# KiCad board CPU.kicad_pcb (continued)
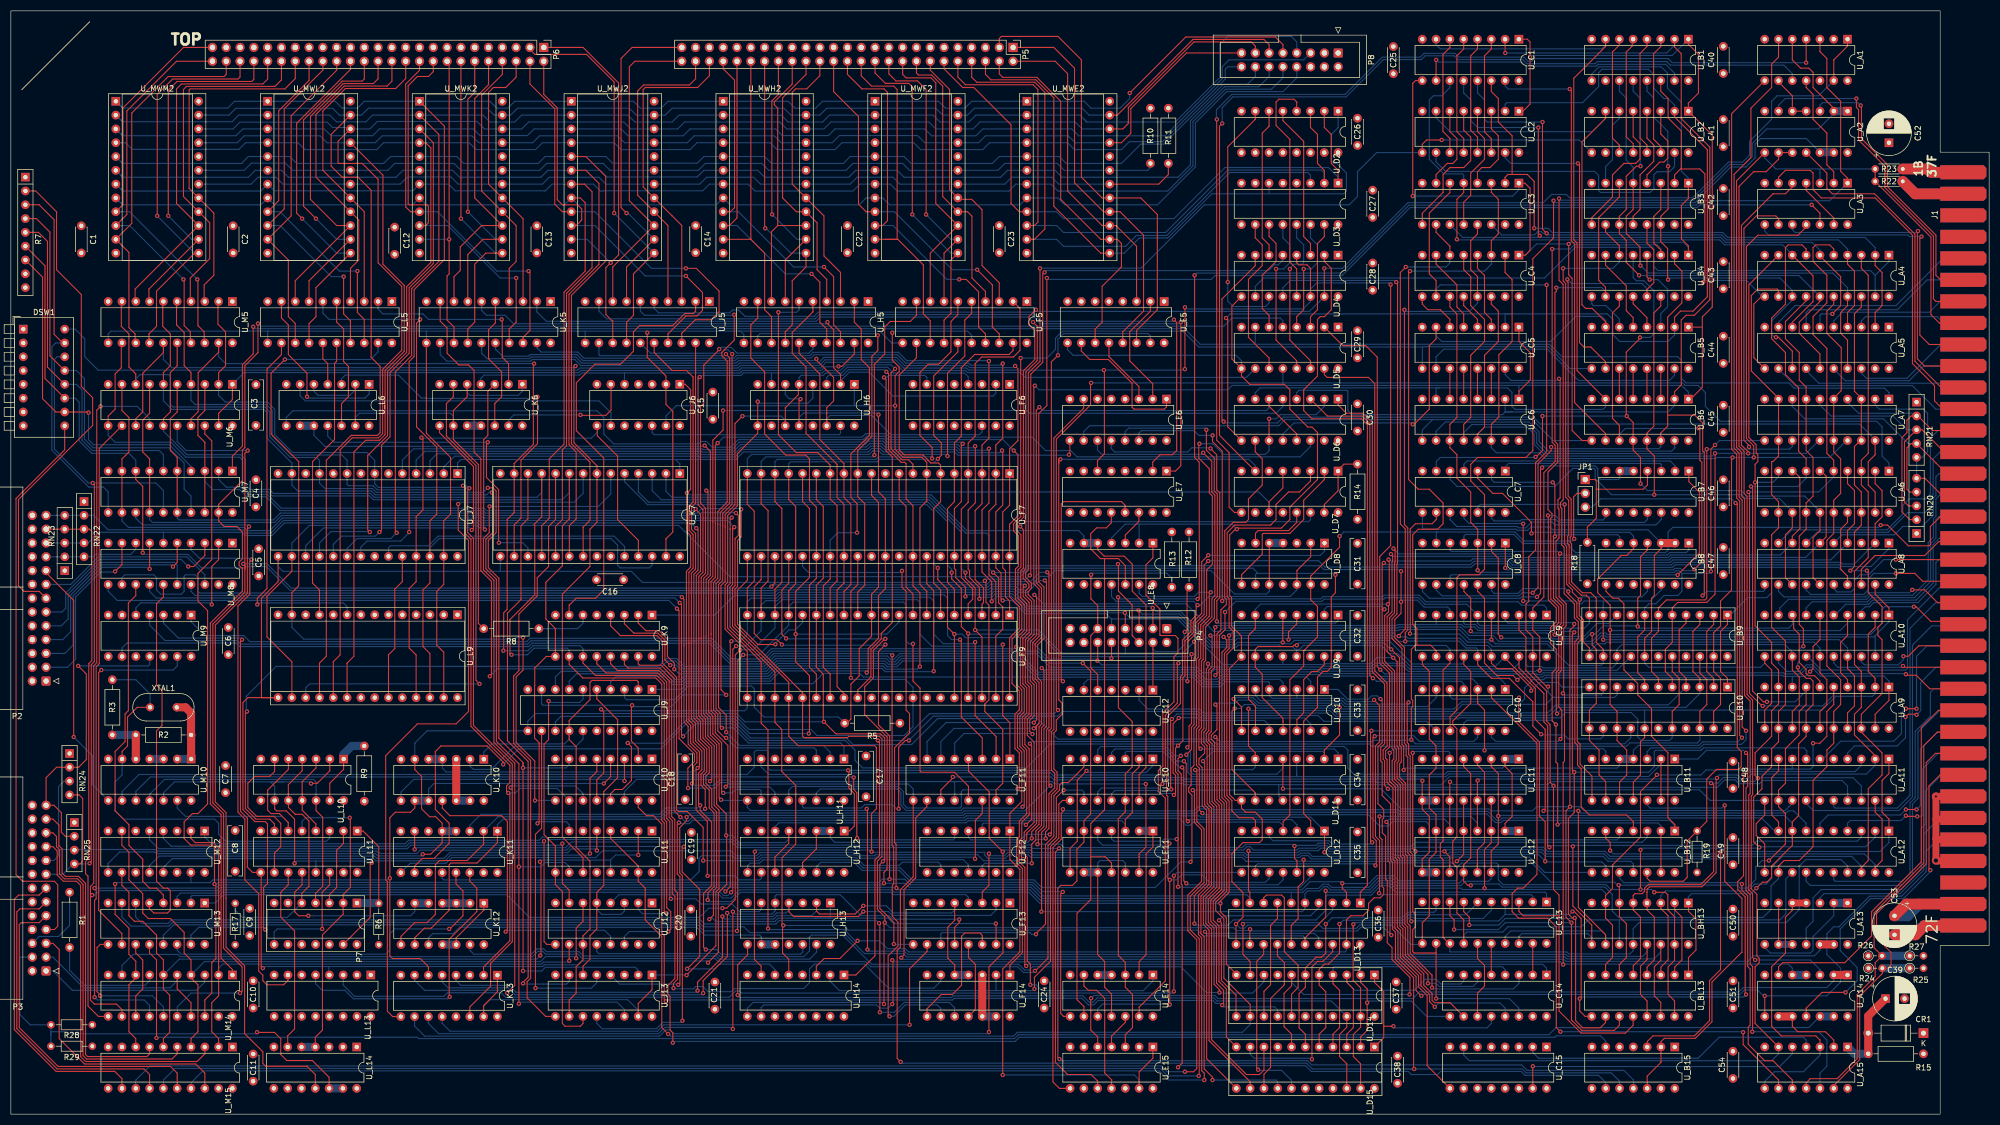
[diagram p0: board, top side]
## Routing (per net, layer and track width the routed paths; a pad name or vN(x,y) marks a point on that pad's centre or on a via; arc(x,y) is an arc through that point) (continued)
/PTR.~{Q_{7}}: length 273.8
  Top w0.2: JP1.2 288.17,114.22 287.55,113.61 287.55,106.16 287.45,106.05 v1(287.66,105.84) ; v1(122.8,23.8) 123.1,24.1 123.1,43.7 122.62,44.19 122.62,53.35 v1(122.91,53.65) ; v1(244.48,106.35) 244.48,104.32 239.17,99.01 U_D8.13 239.17,94.69 239.14,94.67 240.41,93.4 240.41,87.81 237.87,85.27 237.87,82.47 235.33,79.93 235.33,55.04 234.09,53.8 U_D12.4
  Bottom w0.2: 262.51,107.11 262.28,107.11 U_C8.6 ; 262.51,107.11 245.24,107.11 v1(244.48,106.35) ; 262.51,107.11 276.74,107.11 278.4,105.45 287.27,105.45 v1(287.66,105.84) ; v1(122.8,23.8) 122.67,23.93 121.61,23.93 121.61,23.93 112.03,23.93 U_J13.4 ; v1(122.91,53.65) 123.24,53.65 123.44,53.44 124.84,53.44 125.45,54.06 175.59,54.06 175.97,54.44 214.98,54.44 215.81,53.61 215.81,53.58 216.25,53.13 216.94,53.13 217.53,53.73 233.47,53.73 234.09,53.11 U_D12.4
/REG_MMIO: length 244.9
  Top w0.2: v1(190.24,98.19) 190.54,97.89 190.54,71.35 190.09,70.9 190.09,52.93 189.05,51.89 189.05,49.82 v1(188.9,49.66) ; U_D12.12 236.63,46.63 236.19,47.07 v1(236.19,49.35)
  Bottom w0.2: U_B12.3 301.08,50.94 300.16,50.02 258.4,50.02 257.62,49.24 242.98,49.24 242.37,49.85 240.54,49.85 240.15,49.45 236.3,49.45 v1(236.19,49.35) 235.89,49.65 227.21,49.65 226.61,49.05 193.77,49.05 193.16,49.66 v1(188.9,49.66) ; v1(190.24,98.19) 189.23,98.19 187.07,96.02 185.3,96.02 184.7,96.62 180.69,96.62 180.09,96.03 141.32,96.03 140.72,95.43 133.1,95.43 129.5,91.83 U_K9.1
/RTC_INT: length 226.7
  Top w0.2: v1(161.67,17.99) 161.42,18.25 161.42,29.13 163.22,30.94 163.22,35.33 162.18,36.37 162.18,42.09 162.43,42.33 162.43,49.16 162.15,49.44 162.15,84.41 v1(162.18,84.44)
  Bottom w0.2: v1(161.67,17.99) 162.47,17.99 164.58,20.1 170.46,20.1 171.12,19.44 171.12,17.99 ; v1(162.18,84.44) 161.88,84.74 140.33,84.74 138.44,82.84 132.35,82.84 128.55,86.65 95.88,86.65 95.27,86.03 42.1,86.03 41.44,86.69 21.37,86.69 20.47,85.79 U_M9.9
/RTC_INT_EN: length 173.8
  Top w0.2: v1(159.9,18.75) 159.9,34.98 v1(159.74,35.13)
  Bottom w0.2: U_M13.6 22.97,36.27 24.13,35.1 28.94,35.1 29.58,35.74 126.88,35.74 127.63,34.99 140.76,34.99 141.38,35.61 159.26,35.61 v1(159.74,35.13) ; U_F14.10 173.66,19.56 172.67,20.55 164.39,20.55 162.58,18.75 v1(159.9,18.75)
/SW_1: length 76.6
  Top w0.2: 2.67,164.78 4.69,164.78 7.19,162.28 7.19,139.53 DSW1.13
  Bottom w0.2: 33.15,111.43 33.15,113.72 31.88,114.99 31.88,119.81 29.09,122.61 15.13,122.61 13.54,124.2 13.54,135.36 12.07,136.83 9.92,136.83
/SW_2: length 140.4
  Top w0.2: RN24.4 12.56,58.74 13.21,58.09 13.21,46.53 12.72,46.04 RN25.4 ; v1(14.49,46.15) 14.79,46.45 14.79,82.7 15.35,83.26 15.35,115.83 v1(15.05,116.13)
  Bottom w0.2: 28.06,111.43 28.06,114.74 26.67,116.13 14.23,116.13 8,122.36 8,138.86 8.5,139.36 DSW1.14 ; P3.15 9.54,44.13 11.45,46.04 14.38,46.04 v1(14.49,46.15)
/SW_3: length 68.8
  Top w0.2: 9.54,141.89 7.95,143.49 7.95,164.57 5.2,167.32 R7.3
  Bottom w0.2: DSW1.15 8.24,141.89 7.55,141.2 7.55,122.17 14.35,115.38 17.01,115.38 17.91,114.48 U_M7.11
/SW_H: length 311.6
  Top w0.2: v1(186.57,97.23) 186.27,96.93 186.27,95.25 187.37,94.15 187.37,88.65 186.2,87.49 186.2,79.17 186.91,78.47 186.91,73.82 186.11,73.02 186.11,67.84 186.91,67.04 186.91,55.26 185.55,53.9 185.55,50.98 185.06,50.49 185.06,46.26 186.11,45.2 186.11,29.7 183.82,27.4 U_F14.1 ; R7.6 6.28,156.09 6.28,135.36 DSW1.11 ; U_M7.8 22.98,116.77 24.26,115.49 v1(24.26,103.29)
  Bottom w0.2: DSW1.11 11.83,131.74 12.58,130.99 12.58,123.88 14.86,121.59 21.72,121.59 22.98,120.33 22.98,119.05 ; v1(24.26,103.29) 24.56,102.99 32.58,102.99 35.06,100.51 43.07,100.51 43.32,100.76 46.99,100.76 51.41,96.34 140.27,96.34 140.87,96.93 179.71,96.93 180.31,97.53 186.27,97.53 v1(186.57,97.23)
/SW_I: length 63.1
  Top w0.2: v1(14.29,129.08) 14.18,129.19 DSW1.10 8.27,129.19 5.83,131.64 5.83,154.01 R7.7
  Bottom w0.2: v1(14.29,129.08) 14.29,124.09 15.21,123.17 29.17,123.17 33.15,119.19 U_M7.4
/SW_O: length 104.8
  Top w0.2: DSW1.9 9.91,122.23 0.95,113.27 0.95,44.07 2.16,42.85 8,42.85 8.62,42.23 8.62,34.58 8.01,33.97 P3.7
/SW_R: length 63.6
  Top w0.2: R7.5 5.07,162.25 6.73,160.58 6.73,137.45 DSW1.12
  Bottom w0.2: 28.06,119.05 28.06,121.33 28.07,121.34 27.31,122.1 15,122.1 13.08,124.01 13.08,133.27 12.08,134.28 DSW1.12
/Sys.5MHz: length 35.3
  Bottom w0.2: U_A13.3 332.88,39.81 333.63,40.56 347.62,40.56 351.97,44.92 351.97,51.54 354.97,54.53 357.22,54.53
/Sys.Reset: length 555.6
  Top w0.2: U_E7.6 199.94,120.23 201.21,121.51 201.21,136.81 v1(201.12,136.9) ; U_D4.14 239.13,155.64 238.51,156.26 236.98,156.26 236.59,156.66 U_D4.4 ; v1(216.03,148.45) 216.02,148.44 v1(216.02,137.08) ; v1(322.71,21.77) 322.71,17.96 ; v1(259.53,21.78) 258.56,22.75 258.56,25.31 255.22,28.65 255.22,33.68 254.66,34.23 254.66,46.58 254.31,46.93 254.31,59.99 253.68,60.62 253.63,60.62 253.22,61.03 253.22,65.23 252.95,65.5 252.95,66.82 253.68,67.54 253.68,81.15 251.87,82.96 251.87,102.61 253.88,104.61 v1(253.88,152.64)
  Bottom w0.2: v1(216.03,148.45) 216.33,148.15 237.77,148.15 239.13,149.51 U_D4.14 239.13,151.8 240.27,152.94 253.58,152.94 v1(253.88,152.64) ; 322.71,21.51 321.39,22.84 318.95,22.84 318.13,22.01 259.76,22.01 v1(259.53,21.78) ; 322.71,21.51 v1(322.71,21.77) ; 322.71,21.51 322.97,21.77 334.14,21.77 336.68,24.31 336.68,26.85 334.14,29.39 334.14,33.2 335.41,34.47 336.37,34.47 342.01,40.11 347.91,40.11 352.43,44.63 352.43,48.44 354.53,50.54 J1.32 ; DSW1.16 11.83,144.44 13.59,142.67 13.59,139.37 16.07,136.89 104.3,136.89 104.69,137.28 133.78,137.28 134.26,137.76 148.77,137.76 149.8,138.79 162.77,138.79 164.28,137.28 175.84,137.28 176.22,136.9 v1(201.12,136.9) 215.84,136.9 v1(216.02,137.08)
/Sys.~{A_{0}}: length 36.1
  Bottom w0.2: U_A5.9 325.25,145.72 328.3,148.77 346.84,148.77 355.53,157.46
/Sys.~{A_{1}}: length 32.1
  Bottom w0.2: U_A5.7 330.32,147.49 330.84,148.01 347.09,148.01 352.59,153.5 J1.6
/Sys.~{A_{2}}: length 24.5
  Bottom w0.2: J1.7 354.98,149.54 352.99,147.55 336.99,147.55 335.4,145.97 U_A5.5
/Sys.~{A_{3}}: length 17.1
  Bottom w0.2: 355.62,145.58 354.46,146.74 341.25,146.74 340.49,145.97 340.49,145.72 340.49,145.72 U_A5.3
/Sys.~{A_{4}}: length 20.7
  Bottom w0.2: 357.21,141.66 354.97,141.66 354.97,141.49 348.87,135.4 341.41,135.4 340.49,136.33 U_A5.18
/Sys.~{A_{5}}: length 23.9
  Bottom w0.2: 335.4,137.09 337.55,134.94 349.27,134.94 351.99,137.66 J1.10
/Sys.~{A_{6}}: length 27.1
  Bottom w0.2: 330.32,136.83 332.67,134.49 356.46,134.49
/Sys.~{A_{7}}: length 35
  Bottom w0.2: 357.23,129.72 354.21,129.72 349.89,134.04 328.3,134.04 325.25,137.09
/Sys.~{A_{8}}: length 47.5
  Bottom w0.2: 325.25,105.07 327.69,107.51 345.22,107.51 348.11,110.4 348.11,112.01 349.3,113.21 352.28,113.21 353.19,114.12 353.19,124.38 354.59,125.78 J1.13
/Sys.~{A_{9}}: length 38.8
  Bottom w0.2: 330.32,105.07 332.31,107.06 345.41,107.06 349.02,110.67 352.17,110.67 353.3,111.79 353.3,113.58 353.7,113.98 353.7,120.57 354.94,121.82 J1.14
/Sys.~{A_{10}}: length 31
  Bottom w0.2: 335.4,105.07 336.94,106.6 346.59,106.6 348.11,108.13 351.65,108.13 353.75,110.23 353.75,113.4 354.21,113.85 354.21,117.27 354.79,117.86 J1.15
/Sys.~{APRE}: length 58.1
  Top w0.2: 355.18,133.7 350.34,138.53 350.34,161.91 342.91,169.34 335.16,169.34 334.14,170.36 334.14,173.15 330.33,176.96
/Sys.~{CA_{15}}: length 38.5
  Bottom w0.2: 356.08,98.06 348.98,90.96 348.98,82.06 348.62,81.7 333.13,81.7 330.59,84.24
/Sys.~{CPL_{0}}: length 21
  Top w0.2: 356.6,105.33 354.71,105.33 352.17,102.79 343.02,102.79 340.49,100.25 340.49,97.45
/Sys.~{CPL_{1}}: length 26.2
  Top w0.2: J1.55 353.46,102.02 353.44,102.03 v1(346.84,102.03)
  Bottom w0.2: 335.4,97.45 335.4,96.7 336.03,96.08 338.6,96.08 339.22,96.7 339.22,98.22 340.24,99.25 341.82,99.25 344.6,102.03 v1(346.84,102.03)
/Sys.~{CPL_{2}}: length 31.7
  Top w0.2: v1(346.84,99.49) 350.33,99.49 351.76,98.06 J1.56
  Bottom w0.2: v1(346.84,99.49) 342.78,99.49 341.76,98.48 341.76,96.44 340.94,95.63 331.15,95.63 330.32,96.45 330.32,97.45
/Sys.~{CPL_{3}}: length 35.2
  Top w0.2: v1(349.86,96.47) 352.15,96.47 354.52,94.1 J1.57
  Bottom w0.2: 325.25,97.45 325.25,96.19 326.27,95.17 341.24,95.17 342,95.94 349.33,95.94 v1(349.86,96.47)
/Sys.~{D_{0}}: length 56.8
  Bottom w0.2: U_A11.16 335.4,56.57 335.66,56.31 347.09,56.31 349.43,58.65 349.43,89.39 354.15,94.1 J1.21
/Sys.~{D_{1}}: length 57.6
  Bottom w0.2: 330.32,57.18 331.65,55.86 347.4,55.86 349.89,58.34 349.89,86.28 353.44,89.84 356.95,89.84
/Sys.~{D_{2}}: length 41.1
  Top w0.2: v1(348.68,74.6) v1(350.64,74.6)
  Bottom w0.2: 332.87,64.8 336.68,68.62 346.45,68.62 347.86,70.03 347.86,73.84 347.91,73.84 348.37,74.3 348.38,74.3 v1(348.68,74.6) ; v1(350.64,74.6) 350.65,74.61 350.65,84.25 352.58,86.18 J1.23
/Sys.~{D_{3}}: length 32.3
  Top w0.2: v1(348.62,73.08) 349.13,73.58 350.44,73.58 350.54,73.48 v1(350.64,73.48)
  Bottom w0.2: v1(348.62,73.08) 348.62,69.27 347.09,67.74 339.22,67.74 337.94,66.47 U_A11.4 ; J1.24 354.21,82.22 351.41,79.43 351.41,74.25 v1(350.64,73.48)
/Sys.~{D_{4}}: length 54.6
  Bottom w0.2: J1.25 353.84,78.26 353.19,77.61 353.19,73.21 350.4,70.42 350.4,58.21 349.43,57.25 349.43,44.31 347.98,42.85 335.66,42.85 335.4,43.11 335.4,43.76
/Sys.~{D_{5}}: length 56.2
  Bottom w0.2: 330.32,43.76 330.32,42.85 331.09,42.09 347.86,42.09 349.89,44.12 349.89,57.06 350.9,58.08 350.9,70.28 354.92,74.3 J1.26
/Sys.~{D_{6}}: length 39.6
  Top w0.2: v1(350.65,56.06) v1(348.68,56.06)
  Bottom w0.2: 332.87,51.38 332.87,53.52 334.39,55.04 347.66,55.04 v1(348.68,56.06) ; v1(350.65,56.06) 351.36,56.77 351.36,67.18 354.52,70.34 J1.27
/Sys.~{D_{7}}: length 31.9
  Top w0.2: v1(350.77,54.79) 348.8,54.79 v1(348.68,54.91)
  Bottom w0.2: 337.94,51.38 337.94,53.51 338.46,54.03 347.8,54.03 v1(348.68,54.91) ; J1.28 354.62,66.38 351.81,63.57 351.81,55.02 351.58,54.79 v1(350.77,54.79)
/Sys.~{DRDY}: length 226.4
  Top w0.2: 322.71,176.93 317.52,171.73 317.52,122.72 318.45,121.79 318.45,113.73 319.01,113.18 319.01,77.02 320.02,76 320.02,58.97 319.77,58.72 319.77,41.29 320.48,40.58 320.48,28.83 v1(320.94,28.37) ; R23.1 R22.2 353.3,161.36 353.3,147.1 354.82,145.58 J1.44
  Bottom w0.2: 322.71,176.93 322.71,175.94 324.74,173.91 332.87,173.91 ; 332.87,173.91 R23.1 ; 332.87,173.91 332.87,173.16 332.88,173.16 U_A3.3 ; U_A14.3 332.88,26.59 331.1,28.36 320.95,28.36 v1(320.94,28.37)
/Sys.~{INR0}: length 30.7
  Top w0.2: 355.29,113.9 352.19,117 RN20.5
  Bottom w0.2: RN20.5 RN21.5 351.69,120.85 352.68,121.84 352.68,128.96 351.92,129.72 343.79,129.72 343.02,130.49 U_A7.2
/Sys.~{INR1}: length 43.2
  Top w0.2: RN21.2 349.65,128.47 348.87,127.69 348.87,125.4 347.96,124.49 347.96,110.81 349.4,109.38 RN20.2 ; 350.88,128.47 353.57,125.78 J1.49
  Bottom w0.2: 350.16,128.96 339.98,128.96 337.94,130.99
/Sys.~{INR2}: length 44.5
  Top w0.2: 355.75,121.82 351.65,125.93 RN21.3 348.42,123.7 348.42,112.65 349.15,111.92 RN20.3
  Bottom w0.2: RN21.3 348.85,125.93 346.33,128.45 334.9,128.45 332.87,130.49 332.87,131.74
/Sys.~{INR3}: length 45.4
  Top w0.2: 355.22,118.8 354.21,119.81 354.21,119.83 RN21.4 349.65,123.39 348.87,122.61 348.87,114.99 349.4,114.46 RN20.4
  Bottom w0.2: RN21.4 349.11,123.39 344.55,127.94 330.08,127.94 327.79,130.23 327.79,131.74
/Sys.~{INTACK}: length 65.8
  Top w0.2: U_A14.11 330.33,19.48 330.33,19.48 333.25,22.4 v1(337.57,22.4) ; v1(353.19,44.88) 352.94,45.14 352.94,60.38 354.98,62.42 J1.65
  Bottom w0.2: v1(353.19,44.88) 353.19,44.63 348.22,39.66 342.2,39.66 336.59,34.05 336.59,30.11 339.73,26.97 339.73,24.56 v1(337.57,22.4)
/Sys.~{INTREQ}: length 87.5
  Top w0.2: 357.19,70.28 354.46,70.28 351.97,67.8 351.97,46.21 342.83,37.07 342.83,30.6 R26.2 343.03,27.86 343.03,25.32 339.73,22.02 339.73,10.22 336.04,6.53 331.09,6.53 330.33,5.77 U_A15.11
  Bottom w1.5: R27.1 R26.2
/Sys.~{MemFault}: length 79.8
  Top w0.2: 335.42,5.26 340.18,10.03 340.18,21.71 344.35,25.88 R24.2 345.32,26.85 345.95,27.48 345.95,29.77 343.28,32.44 343.28,36.88 352.43,46.03 352.43,64.69 354.11,66.38 J1.64
  Bottom w1.5: R25.1 R24.2
/Sys.~{PA_{11}}: length 49.5
  Bottom w0.2: J1.16 354.9,113.9 354.21,113.21 354.21,110.04 353.75,109.59 353.75,106.16 352.79,105.2 352.79,98.33 349.94,95.48 342.19,95.48 341.43,94.72 327.08,94.72 325.5,93.14 325.5,91.86
/Sys.~{PA_{12}}: length 41
  Bottom w0.2: 330.33,92.11 330.33,93.14 331.45,94.27 341.62,94.27 342.38,95.03 350.25,95.03 353.24,98.02 353.24,105.01 354.21,105.98 354.21,109.4 354.71,109.91 357.22,109.91
/Sys.~{PA_{13}}: length 31.6
  Bottom w0.2: J1.18 354.85,105.98 353.7,104.83 353.7,97.71 350.56,94.57 342.57,94.57 341.8,93.81 337.61,93.81 335.66,91.86
/Sys.~{PA_{14}}: length 23.8
  Bottom w0.2: J1.19 354.7,102.02 354.21,101.52 354.21,97.46 350.87,94.12 342.75,94.12 341.99,93.36 341.21,93.36 340.49,92.63 U_A10.3
/Sys.~{PA_{15}}: length 19.8
  Top w0.2: J1.59 351.05,86.18 349.13,84.25 v1(348.23,84.25)
  Bottom w0.2: 340.49,84.24 340.49,83.24 341.05,82.67 347.29,82.67 348.23,83.61 v1(348.23,84.25)
/Sys.~{PA_{16}}: length 23.4
  Top w0.2: v1(348.15,82.46) 348.38,82.22 J1.60
  Bottom w0.2: v1(348.15,82.46) 347.91,82.22 336.17,82.22 335.4,82.99 335.4,83.99
/Sys.~{PA_{17}}: length 36
  Top w0.2: v1(348.68,80.95) 348.87,80.76 350.59,80.76 353.09,78.26 J1.61
  Bottom w0.2: v1(348.68,80.95) 348.57,81.06 333.14,81.06 331.52,82.67 330.4,82.67 329.18,81.46 326.77,81.46 325.25,82.98 325.25,83.99
/Sys.~{ParityTest}: length 50.3
  Bottom w0.2: 330.33,32.18 330.33,34.21 331.6,35.48 331.6,39.8 333.12,41.33 347.74,41.33 351.52,45.11 351.52,52.61 352.27,53.36 352.27,59.45 355.22,62.41 ; U_A13.11 330.33,32.44
/Sys.~{PTR7_oc}: length 70.2
  Top w0.2: U_A14.6 325.25,27.11 326.01,27.86 337.44,27.86 342.38,32.8 342.38,37.26 351.52,46.4 351.52,71.15 354.67,74.3 J1.62
/Sys.~{RA_{11}}: length 106.3
  Top w0.2: v1(274.22,87.74) 273.69,88.27 273.69,102.29 272.44,103.54 U_C8.2 ; v1(350.14,93.37) 350.57,93.37 353.26,90.68 356.71,90.68
  Bottom w0.2: v1(274.22,87.74) 274.4,87.55 282.99,87.55 283.56,86.99 290.98,86.99 292.49,88.5 293.49,88.5 293.73,88.26 342.21,88.26 344.3,90.35 344.3,92.89 344.78,93.37 v1(350.14,93.37)
/Sys.~{RA_{12}}: length 54.7
  Top w0.2: v1(350.9,162.48) 350.8,162.38 350.8,138.97 352.11,137.66 J1.46
  Bottom w0.2: 327.8,163.5 327.8,162.73 328.3,162.23 350.65,162.23 v1(350.9,162.48)
/Sys.~{RA_{13}}: length 67.3
  Top w0.2: 355.45,129.74 353.95,131.24 353.95,134.04 349.89,138.1 349.89,161.72 343.03,168.58 333.12,168.58 331.6,170.1 331.6,173.15 331.09,173.66 326.52,173.66 325.25,172.4 U_A3.6
/Sys.~{RA_{14}}: length 55.4
  Top w0.2: J1.45 352.97,141.62 351.25,143.34 351.25,161.17 v1(351.55,161.47)
  Bottom w0.2: v1(351.55,161.47) 349.38,161.47 349.07,161.78 323.42,161.78 322.71,162.48 U_A3.8
/Sys.~{RA_{15}}: length 102.5
  Top w0.2: J1.53 355,109.94 353.19,108.13 353.19,104.83 352.94,104.57 349.13,104.57 345.32,108.38 344.05,108.38 v1(344.05,108.37)
  Bottom w0.2: U_C8.4 267.36,106.37 267.65,106.66 276.55,106.66 278.21,105 286.24,105 287.91,103.32 304.44,103.32 304.93,103.81 304.93,107.11 305.78,107.97 343.64,107.97 v1(344.05,108.37)
/Sys.~{RDIN}: length 49.4
  Top w0.2: J1.42 355.06,153.5 354.21,154.36 354.21,161.74 345.26,170.68 345.26,174.73 340.51,179.48 340.51,185.45 v1(340.36,185.6)
  Bottom w0.2: U_A2.3 332.88,185.63 333.35,186.11 339.85,186.11 v1(340.36,185.6)
/Sys.~{WTIN}: length 62.4
  Top w0.2: v1(339.58,186.86) 339.58,185.23 339.98,184.83 339.98,179.24 339.99,179.24 344.81,174.42 344.81,170.49 353.75,161.55 353.75,149.98 354.2,149.54 J1.43
  Bottom w0.2: U_A2.6 325.25,185.63 326.49,186.87 339.57,186.87 v1(339.58,186.86)
/WorkAddr_TC: length 68.7
  Top w0.2: v1(251.08,45.76) 251.23,45.91 251.23,50.3 250.63,50.9 250.63,69.22 v1(250.94,69.54)
  Bottom w0.2: U_D12.9 229.01,45.67 229.4,46.06 250.78,46.06 v1(251.08,45.76) ; U_C10.12 269.88,69.31 269.17,68.6 259.12,68.6 258.06,69.65 251.05,69.65 v1(250.94,69.54)
/~{AddrCount_EN}: length 211.1
  Top w0.2: v1(187.58,23.8) 187.58,27.61 187.02,28.17 187.02,47.25 186.42,47.85 186.42,49.92 186.91,50.41 186.91,51.68 188.73,53.5 188.73,71.46 189.18,71.92 ; 189.18,71.92 189.18,79.41 188.47,80.11 188.47,86.55 189.64,87.71 189.64,96.8 188.68,97.75 188.68,129.52 v1(189.25,130.08) ; 189.18,71.92 188.24,70.98 v1(188.23,70.98) ; U_D6.6 231.51,130.24 236.59,125.16 U_D6.13
  Bottom w0.2: v1(188.23,70.98) 173.54,70.98 171.12,68.55 171.12,65.34 ; v1(187.58,23.8) 187.81,23.57 188.02,23.78 188.65,23.78 189.7,22.73 208.36,22.73 210.14,24.51 U_E14.1 ; U_D6.6 231.51,129.99 231.52,129.97 231.02,129.46 189.87,129.46 v1(189.25,130.08)
/~{AddrHToData}: length 175.5
  Top w0.2: v1(251.99,81.76) 251.41,82.34 251.41,139.29 249.3,141.4 245.08,141.4 U_D5.2 ; 343.02,70.78 343.02,73.58 345.56,76.12 345.56,78.4
  Bottom w0.2: 345.56,78.4 345.56,79.69 344.65,80.6 332.95,80.6 331.33,82.22 330.58,82.22 329.37,81 326.36,81 326.16,81.2 281.97,81.2 281.62,80.86 280.87,80.86 280.72,81 252.75,81 v1(251.99,81.76)
/~{AddrHToSys}: length 220.1
  Top w0.2: U_A10.1 345.56,93.15 343.02,95.69 343.02,97.45 ; v1(188.33,95.54) 188.73,95.14 188.73,88.09 187.57,86.92 187.57,79.74 188.27,79.03 188.27,73.26 187.47,72.46 187.47,70.43 v1(187.97,69.93)
  Bottom w0.2: U_F11.5 173.66,68.29 175.39,70.03 187.88,70.03 v1(187.97,69.93) ; U_A10.1 345.56,90.6 343.03,88.06 ; 343.03,84.49 343.03,88.06 ; 343.03,88.06 342.78,87.81 293.54,87.81 293.3,88.05 292.68,88.05 291.17,86.54 283.34,86.54 282.89,86.98 273.8,86.98 272.72,88.06 268.34,88.06 266.78,89.62 255.34,89.62 255.16,89.44 223.06,89.44 222.44,88.82 221.31,88.82 216.23,93.9 189.96,93.9 v1(188.33,95.54)
/~{AddrLToData}: length 130.8
  Bottom w0.2: 343.02,151.3 343.02,154.35 ; 343.02,154.35 345.56,156.89 U_A4.1 ; 343.02,154.35 343.02,154.36 342.18,155.21 303.06,155.21 302.27,156 302.27,159.3 302.07,159.51 287.86,159.51 282.2,153.85 230.51,153.85 228.97,152.31 U_D4.10
/~{AddrMToData}: length 169.7
  Top w0.2: v1(223.14,127.43) 222.84,127.73 222.84,149.99 228.97,156.12 U_D4.7 ; 343.02,110.91 343.02,114.48 341.76,115.75 341.76,120.07 343.02,121.33 343.02,124.12
  Bottom w0.2: 343.02,124.12 340.17,126.98 281.39,126.98 280.12,128.25 234.12,128.25 233.05,127.18 223.4,127.18 v1(223.14,127.43)
/~{ALU_Flags_EN}: length 123.7
  Top w0.2: U_E7.13 205.02,112.03 204.35,112.7 193.68,112.7 193.27,112.29 193.27,79.95 v1(193.57,79.65)
  Bottom w0.2: U_J9.1 123.37,78.15 124.44,79.21 147.58,79.21 149.46,81.09 156.2,81.09 156.86,80.43 187.94,80.43 188.42,79.95 193.27,79.95 v1(193.57,79.65)
/~{ALU_OE}: length 190.6
  Top w0.2: 183.77,102.54 183.77,95.17 185.55,93.4 185.55,89.4 183.77,87.62 U_F9.40 ; U_F7.40 183.77,108.54 185.3,110.07 185.3,121.34 v1(184.53,122.1)
  Bottom w0.2: 50.68,126.66 50.68,128.2 51.89,129.41 107.88,129.41 109.1,128.19 109.1,125.15 110.91,123.33 126.58,123.33 127.02,123.77 128,123.77 129.05,122.72 132.45,122.72 133.84,124.11 156.81,124.11 157.43,124.73 160.85,124.73 161.47,124.11 182.52,124.11 v1(184.53,122.1)
/~{CCR_EN}: length 242.2
  Top w0.2: v1(190.41,50.72) 190.38,50.75 190.38,51.93 191,52.56 191,58.97 192.05,60.02 192.05,62.74 191.45,63.34 191.45,70.34 191.91,70.79 191.91,124.39 197.4,129.88 U_E6.7
  Bottom w0.2: v1(190.41,50.72) 190.24,50.56 188.73,50.56 187.68,49.51 133.84,49.51 132.82,50.53 98.87,50.53 98.42,50.98 97.79,50.98 97.19,50.38 73.18,50.38 72.54,49.75 36.92,49.75 35.69,50.98 35.69,52.07
/~{ClockB_{0}}: length 270.6
  Top w0.2: 79.65,76.64 79.65,85 78.36,86.28 78.36,96.19 79.65,97.47 79.65,109.16 80.9,110.41 80.9,120.83 76.45,125.28 U_K5.11 ; v1(117.1,143.77) 117.1,139.24 120.54,135.8 U_J6.2 120.54,130.59 121.8,129.34 121.8,107.11 120.53,105.84 120.54,105.83 U_K7.27
  Bottom w0.2: U_K5.11 76.45,144.07 76.46,144.07 133.99,144.07 ; 47.37,144.07 76.45,144.07 ; 47.37,144.07 47.24,144.07 U_L5.11 ; 47.37,144.07 18.42,144.07 17.91,143.56 U_M5.11 ; 133.99,144.07 159.9,144.07 162.06,141.9 U_F5.11 ; 133.99,144.07 134.24,144.07 134.87,143.44 U_H5.11 ; U_J5.11 105.66,144.07 105.67,144.07
/~{ClockB_{1}}: length 288.5
  Top w0.2: v1(75.78,47.81) 77.23,47.81 79.36,49.95 U_K11.5 79.36,53.53 78.17,54.72 77.03,54.72 75.57,56.19 75.57,62.15 74.32,63.4 U_K10.6 ; U_F7.15 148.21,113.09 149.48,111.81 149.48,98.6 148.21,97.33 U_F9.15 148.21,82.22 149.48,80.95 149.48,72.31 v1(149.61,72.18) 151.81,69.97 160.01,69.97 160.78,69.2 160.78,53.76 160.77,53.74 160.77,46.82 v1(160.47,46.52) 159.9,45.95 159.9,37.85 162.47,35.27 v1(162.47,31.29)
  Bottom w0.2: U_M12.9 17.88,46.13 20,48.24 26.48,48.24 26.79,47.93 67.1,47.93 67.52,47.51 75.48,47.51 v1(75.78,47.81) ; v1(162.47,31.29) 162.53,31.23 U_F13.9 ; v1(160.47,46.52) 160.77,46.82 175.23,46.82 176.2,45.85 U_F12.11 ; v1(149.61,72.18) 149.6,72.19 135.04,72.19 133.52,73.71 96.52,73.71 95.11,72.3 U_J9.11 76.57,70.53 74.3,68.25 74.32,68.22 U_K10.6
  Bottom w1.5: U_K11.5 81.9,52.06
/~{ClockB_{2}}: length 311
  Top w0.2: 259.7,31.23 259.7,35.22 260.99,36.5 260.99,46.91 262.22,48.15 U_C12.7 262.22,55.08 260.99,56.31 260.99,62.41 262.22,63.64 U_C11.7 262.22,67.78 260.99,69.01 260.99,81.45 259.72,82.73 U_C9.11 ; U_D4.9 224.67,148.67 224.67,138.95 U_D5.9 226.43,135.83 227.97,134.29 234.32,134.29 235.33,133.27 235.33,129.72 238.64,126.42 239.4,126.42 240.41,125.4 240.41,116.76 235.33,111.68 235.33,109.4 233.76,107.82 225.88,107.82 225.69,107.63 v1(225.58,107.63) 225.31,107.63 224.25,106.57 224.25,95.4 224.61,95.04 224.61,89.77 226.43,87.96 U_D9.9 224.23,82.01 224.23,58.78 225.29,57.72 U_D11.9 226.43,56.33 227.21,55.55 228.98,55.55 230.25,54.28 230.25,50.47 229.75,49.96 226.7,49.96 224.67,47.93 224.67,42.78 226.7,40.75 226.7,36.25 v1(225.43,34.98) U_D13.11
  Bottom w0.2: U_E5.9 194.43,140.66 195.46,139.62 225.43,139.62 226.43,138.62 U_D5.9 ; 207.65,108.56 224.65,108.56 v1(225.58,107.63) ; 207.65,108.56 207.6,108.51 U_E8.2 ; 207.65,108.56 205.03,108.56 202.52,106.05 U_E8.4 ; v1(225.43,34.98) 226.18,34.22 227.01,34.22 227.56,34.78 240.82,34.78 241.42,34.18 247.54,34.18 248.14,34.78 254.08,34.78 257.62,31.23 259.7,31.23
/~{DataEndCycle}: length 317.1
  Top w0.2: v1(218.36,94.79) 218.66,95.09 218.66,119.97 217.81,120.82 v1(217.81,154.35) ; U_A1.3 332.87,195.5 334.14,194.23 334.14,188.9 336.68,186.36 336.68,173.48 337.95,172.21 U_A3.1 ; v1(203.74,95.11) 203.78,95.06 203.78,74.78 206.32,72.24 206.32,63.88 205.06,62.61 U_E10.12 205.06,55.63 203.77,54.34 203.77,29.2 205.06,27.91 U_E14.3 205.06,23.34 206.38,22.02 206.38,15.93 205.06,14.61 U_E15.3
  Bottom w0.2: v1(217.81,154.35) 218.22,154.76 244.76,154.76 257.26,167.26 310.09,167.26 310.91,168.07 334.65,168.07 337.95,171.38 ; v1(218.36,94.79) 218.34,94.81 204.04,94.81 v1(203.74,95.11)
/~{DataRD_EN}: length 171.4
  Top w0.2: U_A12.11 322.7,49.71 321.13,51.29 321.13,53.46 322.7,55.04 322.7,57.18 ; v1(253.37,59.87) 252.77,60.47 252.77,65.04 252.5,65.31 252.5,67.01 253.22,67.73 253.22,79.32 250.96,81.58 250.96,134.41 249.81,135.56 242.19,135.56 241.68,136.07 241.68,137.18
  Bottom w0.2: U_A11.11 312.67,57.72 310.71,59.68 253.56,59.68 v1(253.37,59.87)
/~{DataRDCycle}: length 153.7
  Top w0.2: U_A1.6 325.25,194.49 323.98,193.22 323.98,188.9 320.17,185.09 320.17,176.01 317.07,172.91 317.07,122.53 318,121.6 318,113.54 318.55,112.99 318.55,71.25 v1(319.27,70.54)
  Bottom w0.2: U_B11.3 301.08,66.69 301.79,67.4 310.81,67.4 311.47,68.05 318.45,68.05 319.27,68.87 v1(319.27,70.54)
/~{DataRDLatch}: length 118.1
  Top w0.2: 345.56,51.38 345.56,54.28 345.57,54.28 344.3,55.55 344.3,61.39 345.56,62.66 345.56,64.8 ; v1(314.58,48.18) 314.58,26.59 312.55,24.56 312.55,17.2 309.76,14.4 302.14,14.4 301.12,13.39 301.12,12.4 ; U_B12.6 293.46,50.76 294.26,49.96 v1(294.26,48.51)
  Bottom w0.2: v1(294.26,48.51) 294.52,48.25 294.52,48.18 294.82,47.88 314.27,47.88 v1(314.58,48.18) 314.73,48.33 343.94,48.33 345.56,49.96 345.56,51.38
/~{DataReady}: length 306.6
  Top w0.2: v1(187.84,50.73) 187.84,51.96 189.18,53.31 189.18,71.28 189.64,71.73 189.64,79.59 188.93,80.3 188.93,86.36 190.09,87.52 190.09,96.98 189.14,97.94 189.14,128.91 190.62,130.39 v1(190.62,153.85) ; v1(331.35,167.31) 332.88,165.78 U_A3.12 ; 145.67,44.47 145.67,46.27 148.21,48.81 148.21,52.09
  Bottom w0.2: v1(331.35,167.31) 310.79,167.31 310.28,166.8 257.45,166.8 244.95,154.3 221.56,154.3 220.86,153.59 190.88,153.59 v1(190.62,153.85) ; v1(187.84,50.73) 187.12,50.02 151.59,50.02 150.79,50.82 U_H12.2
  Bottom w1.5: 148.21,52.09 150.75,52.09
/~{DataWT_EN}: length 203.7
  Top w0.2: U_E15.8 192.93,4.74 191.74,5.93 191.74,49.05 193.27,50.58 193.27,55.4 193.57,55.7 v1(193.57,56.1) ; 325.25,64.8 325.25,63.16 324,61.92 324,55.02 325.25,53.77 325.25,53.77 325.25,51.38
  Bottom w0.2: 325.25,51.38 322.13,54.5 274.4,54.5 274,54.1 273.36,54.1 271.76,55.7 255.63,55.7 255.32,56 221.16,56 220.56,56.6 218.54,56.6 217.74,55.8 193.87,55.8 v1(193.57,56.1)
/~{DataWTCycle}: length 289.2
  Top w0.2: v1(187.49,68.16) 187.82,67.84 187.82,54.26 186.79,53.23 v1(186.76,53.23) ; v1(318.52,69.27) 318.1,69.68 318.1,112.8 317.55,113.36 317.55,121.41 316.61,122.34 316.61,184.07 U_A1.8
  Bottom w0.2: v1(186.76,53.23) 186.46,53.53 178.96,53.53 178.74,53.31 U_F12.3 ; U_B11.5 296,64.15 295.53,63.68 276.23,63.68 275.6,63.05 264.36,63.05 263.86,62.55 247.13,62.55 246,63.68 246,66.98 245.33,67.65 221.43,67.65 220.52,68.56 187.89,68.56 v1(187.49,68.16) ; U_B11.4 298.54,66.94 299.45,67.85 310.63,67.85 311.28,68.5 317.75,68.5 v1(318.52,69.27)
  Bottom w1.5: U_B11.5 U_B11.4
/~{DMAInterrupt}: length 80.7
  Top w0.2: v1(188.34,23.03) 188.34,25.19 191.28,28.14 191.28,49.23 192.82,50.77 192.82,57.04 193.5,57.72 U_E10.8